# Allegro board 6089-119-RevB_08.brd (continued)
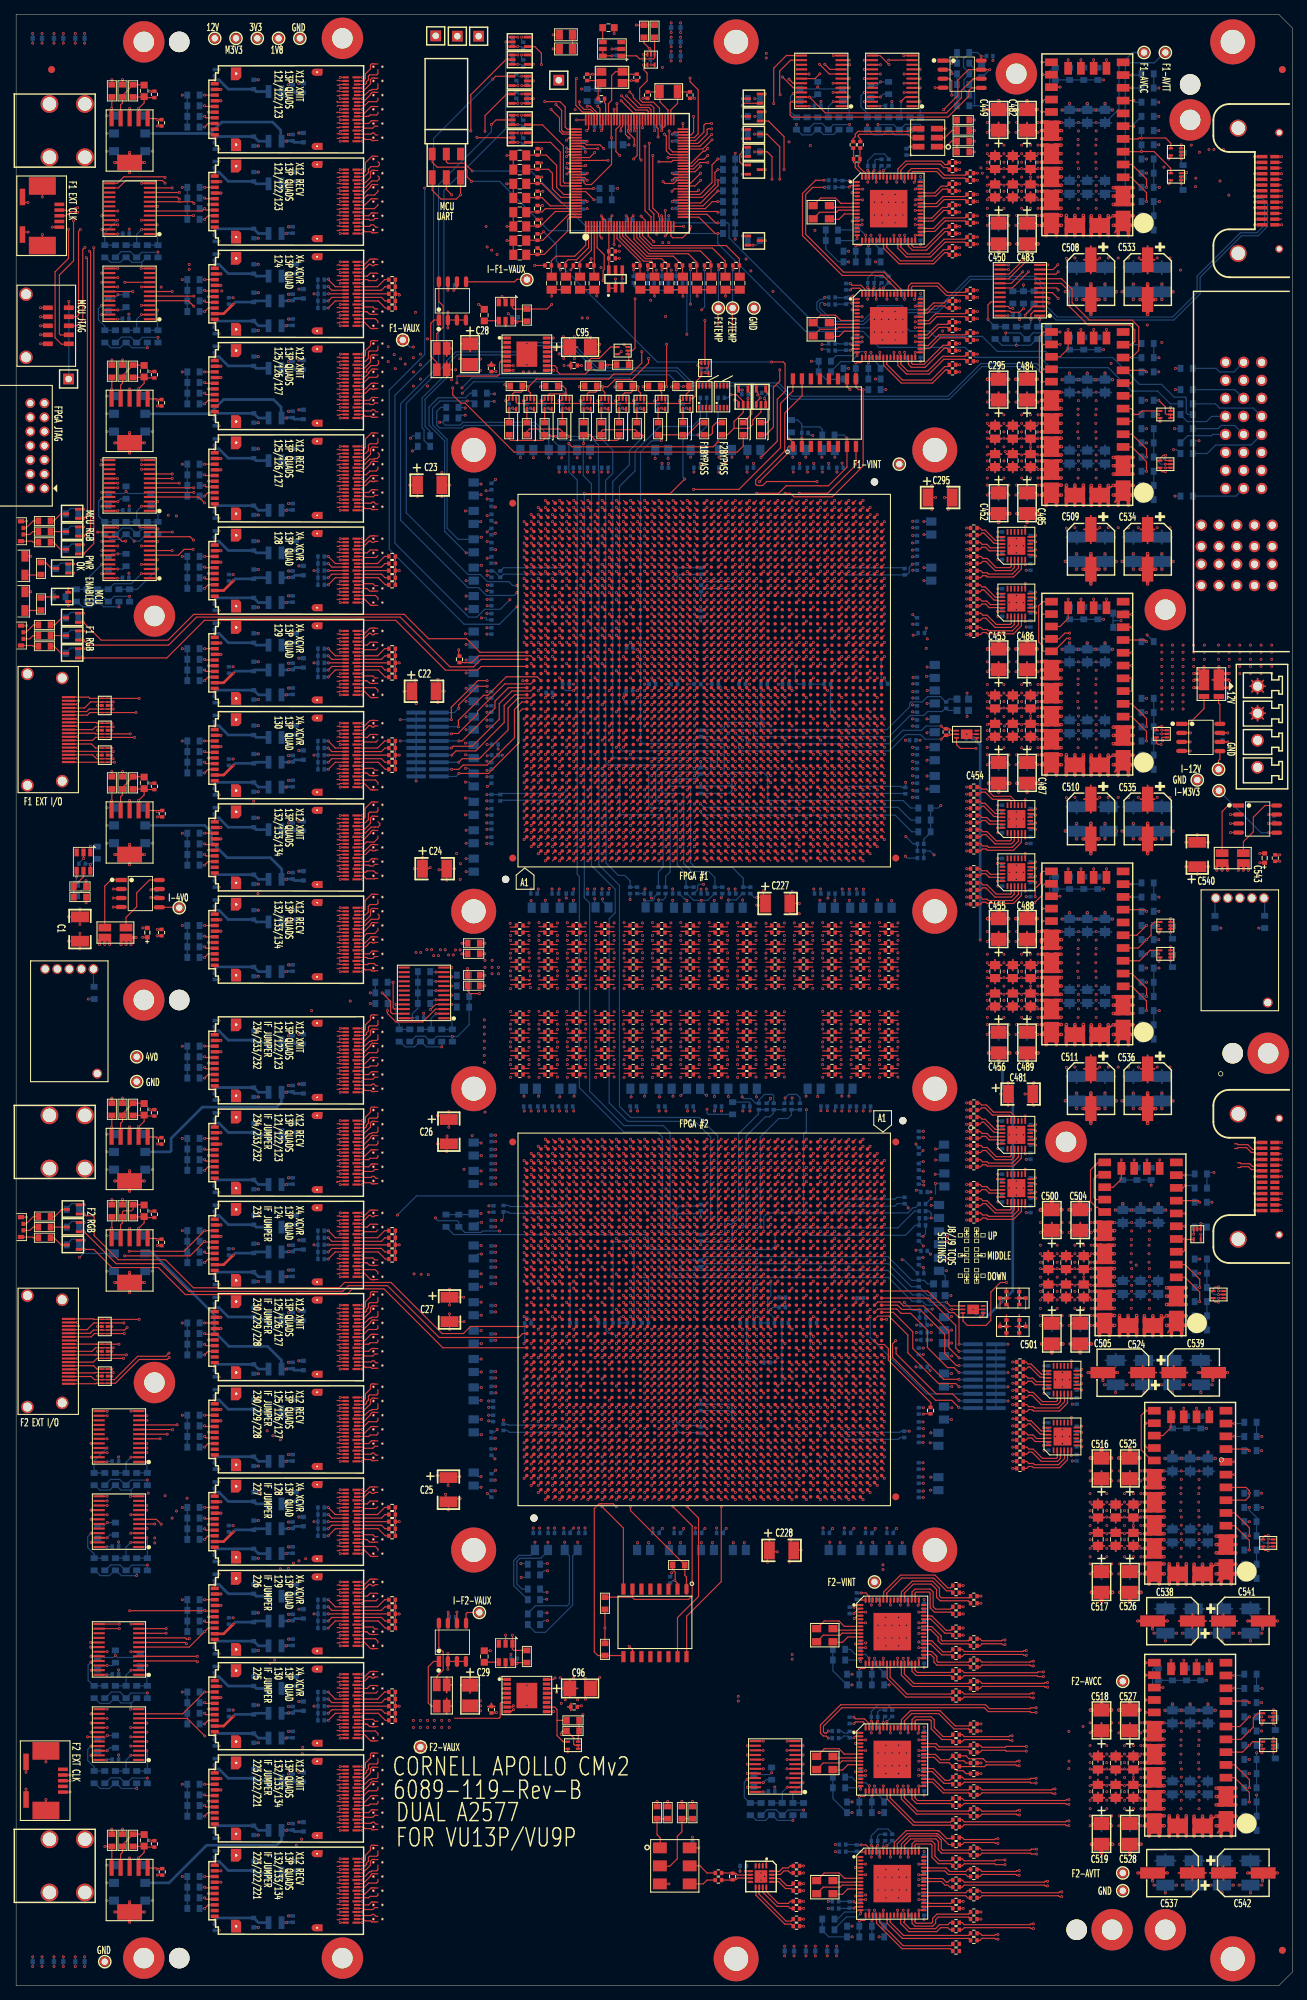
[diagram p0: board, top side]
## Routing (per net, layer and track width the routed paths; a pad name or vN(x,y) marks a point on that pad's centre or on a via; arc(x,y) is an arc through that point) (continued)
  GND6 w0.254: VA39.3 51.96,170.58 ; VA39.3 52.02,170.9 ; VA39.3 51.82,171.31 ; VA39.3 51.63,170.52 ; VA39.3 51.63,171.28 ; VA39.3 51.96,171.22 ; VA39.3 52.05,170.71 ; VA39.3 52.05,171.09 ; 50.04,119.08 VA61.3 ; VA61.3 49.95,119.59 ; VA61.3 49.95,119.21 ; VA61.3 50.18,118.99 ; VA61.3 49.98,119.4 ; VA61.3 50.37,119.02 ; VA61.3 50.37,119.78 ; VA61.3 50.04,119.72 ; VA76.4 51.63,82.78 ; VA76.4 51.96,82.08 ; VA76.4 51.82,82.81 ; VA76.4 51.63,82.02 ; VA76.4 52.05,82.59 ; VA76.4 52.05,82.21 ; VA76.4 51.96,82.72 ; VA76.4 52.02,82.4 ; VA77.4 52.05,80.21 ; VA77.4 51.96,80.72 ; VA77.4 51.96,80.08 ; VA77.4 52.02,80.4 ; VA77.4 51.82,80.81 ; VA77.4 51.63,80.78 ; VA77.4 51.63,80.02 ; VA77.4 52.05,80.59 ; VA75.4 51.96,84.72 ; VA75.4 52.02,84.4 ; VA75.4 51.82,84.81 ; VA75.4 52.05,84.59 ; VA75.4 51.63,84.02 ; VA75.4 51.63,84.78 ; VA75.4 51.96,84.08 ; VA75.4 52.05,84.21 ; 50.18,194.49 VA32.4 ; VA32.4 49.95,195.09 ; VA32.4 49.95,194.71 ; VA32.4 50.04,194.58 ; VA32.4 50.04,195.22 ; VA32.4 50.37,194.52 ; VA32.4 49.98,194.9 ; VA32.4 50.37,195.28 ; VA81.4 52.05,70.09 ; VA81.4 51.63,70.28 ; VA81.4 51.96,69.58 ; VA81.4 51.82,70.31 ; VA81.4 51.96,70.22 ; VA81.4 51.63,69.52 ; VA81.4 52.02,69.9 ; VA81.4 52.05,69.71 ; 49.95,95.59 VA70.3 ; VA70.3 50.04,95.72 ; VA70.3 50.37,95.02 ; VA70.3 50.04,95.08 ; VA70.3 49.98,95.4 ; VA70.3 50.18,94.99 ; VA70.3 50.37,95.78 ; VA70.3 49.95,95.21 ; 49.95,249.59 VA11.3 ; VA11.3 50.37,249.78 ; VA11.3 50.04,249.72 ; VA11.3 49.95,249.21 ; VA11.3 49.98,249.4 ; VA11.3 50.04,249.08 ; VA11.3 50.37,249.02 ; VA11.3 50.18,248.99 ; VA88.3 51.96,47.58 ; VA88.3 51.82,48.31 ; VA88.3 52.02,47.9 ; VA88.3 52.05,48.09 ; VA88.3 51.63,48.28 ; VA88.3 51.63,47.52 ; VA88.3 52.05,47.71 ; VA88.3 51.96,48.22 ; 49.95,229.59 VA18.3 ; VA18.3 50.37,229.78 ; VA18.3 50.18,228.99 ; VA18.3 49.98,229.4 ; VA18.3 50.04,229.72 ; VA18.3 50.04,229.08 ; VA18.3 49.95,229.21 ; VA18.3 50.37,229.02 ; VA71.4 51.96,93.72 ; VA71.4 51.63,93.02 ; VA71.4 51.63,93.78 ; VA71.4 52.05,93.59 ; VA71.4 52.02,93.4 ; VA71.4 51.96,93.08 ; VA71.4 51.82,93.81 ; VA71.4 52.05,93.21 ; 49.95,123.21 VA59.3 ; VA59.3 50.37,123.02 ; VA59.3 50.18,122.99 ; VA59.3 50.04,123.08 ; VA59.3 49.95,123.59 ; VA59.3 49.98,123.4 ; VA59.3 50.04,123.72 ; VA59.3 50.37,123.78 ; 50.18,146.99 VA50.3 ; VA50.3 49.95,147.21 ; VA50.3 50.37,147.02 ; VA50.3 50.37,147.78 ; VA50.3 50.04,147.08 ; VA50.3 50.04,147.72 ; VA50.3 49.95,147.59 ; VA50.3 49.98,147.4 ; VA102.4 51.96,13.72 ; VA102.4 52.02,13.4 ; VA102.4 51.63,13.02 ; VA102.4 51.63,13.78 ; VA102.4 51.96,13.08 ; VA102.4 51.82,13.81 ; VA102.4 52.05,13.59 ; VA102.4 52.05,13.21 ; PM3.1 17.67,128.07 ; PM3.1 17,128.28 ; PM3.1 17.88,127.4 ; PM3.1 16.33,126.73 ; PM3.1 16.12,127.4 ; PM3.1 17.67,126.73 ; PM3.1 16.33,128.07 ; PM3.1 17,126.52 ; 51.63,136.02 VA53.4 ; VA53.4 51.96,136.08 ; VA53.4 52.02,136.4 ; VA53.4 52.05,136.59 ; VA53.4 51.82,136.81 ; VA53.4 52.05,136.21 ; VA53.4 51.63,136.78 ; VA53.4 51.96,136.72 ; 50.04,156.72 VA46.3 ; VA46.3 49.95,156.59 ; VA46.3 49.98,156.4 ; VA46.3 49.95,156.21 ; VA46.3 50.37,156.78 ; VA46.3 50.37,156.02 ; VA46.3 50.04,156.08 ; VA46.3 50.18,155.99 ; 49.98,117.4 VA62.3 ; VA62.3 50.04,117.08 ; VA62.3 50.18,116.99 ; VA62.3 49.95,117.21 ; VA62.3 50.37,117.02 ; VA62.3 50.04,117.72 ; VA62.3 50.37,117.78 ; VA62.3 49.95,117.59 ; 49.98,160.4 VA44.3 ; VA44.3 50.18,159.99 ; VA44.3 49.95,160.21 ; VA44.3 50.04,160.08 ; VA44.3 50.37,160.78 ; VA44.3 49.95,160.59 ; VA44.3 50.37,160.02 ; VA44.3 50.04,160.72 ; 49.95,264.59 VA4.3 ; VA4.3 50.04,264.72 ; VA4.3 49.95,264.21 ; VA4.3 50.37,264.78 ; VA4.3 50.37,264.02 ; VA4.3 50.04,264.08 ; VA4.3 49.98,264.4 ; VA4.3 50.18,263.99 ; 50.04,17.72 VA100.3 ; VA100.3 50.18,16.99 ; VA100.3 49.95,17.59 ; VA100.3 49.95,17.21 ; VA100.3 50.04,17.08 ; VA100.3 50.37,17.02 ; VA100.3 50.37,17.78 ; VA100.3 49.98,17.4 ; 7.12,142.4 U1.3 ; U1.3 7.88,144.14 ; U1.3 8.17,143.94 ; U1.3 6.83,142.6 ; U1.3 8.17,142.6 ; U1.3 7.5,144.14 ; U1.3 6.83,143.94 ; U1.3 7.5,142.39 ; 50.18,86.99 VA74.3 ; VA74.3 50.04,87.08 ; VA74.3 49.98,87.4 ; VA74.3 49.95,87.59 ; VA74.3 49.95,87.21 ; VA74.3 50.37,87.02 ; VA74.3 50.37,87.78 ; VA74.3 50.04,87.72 ; 50.37,210.02 VA27.3 ; VA27.3 50.04,210.08 ; VA27.3 49.98,210.4 ; VA27.3 49.95,210.21 ; VA27.3 50.37,210.78 ; VA27.3 50.18,209.99 ; VA27.3 49.95,210.59 ; VA27.3 50.04,210.72 ; VA19.4 52.05,227.21 ; VA19.4 52.05,227.59 ; VA19.4 51.63,227.78 ; VA19.4 51.96,227.72 ; VA19.4 51.63,227.02 ; VA19.4 52.02,227.4 ; VA19.4 51.82,227.81 ; VA19.4 51.96,227.08 ; PM21.1 156.67,14.07 ; PM21.1 156,12.52 ; PM21.1 155.33,12.73 ; PM21.1 156,14.28 ; PM21.1 156.88,13.4 ; PM21.1 155.12,13.4 ; PM21.1 156.67,12.73 ; PM21.1 155.33,14.07 ; 50.37,121.02 VA60.3 ; VA60.3 50.04,121.72 ; VA60.3 49.95,121.21 ; VA60.3 50.04,121.08 ; VA60.3 50.37,121.78 ; VA60.3 50.18,120.99 ; VA60.3 49.95,121.59 ; VA60.3 49.98,121.4 ; VA37.3 50.37,178.28 ; VA37.3 49.98,177.9 ; VA37.3 49.95,178.09 ; VA37.3 50.04,177.58 ; VA37.3 50.18,177.49 ; VA37.3 50.04,178.22 ; VA37.3 50.37,177.52 ; VA37.3 49.95,177.71 ; 50.04,149.08 VA49.3 ; VA49.3 50.37,149.02 ; VA49.3 50.18,148.99 ; VA49.3 50.04,149.72 ; VA49.3 49.95,149.59 ; VA49.3 49.98,149.4 ; VA49.3 49.95,149.21 ; VA49.3 50.37,149.78 ; 50.18,83.99 VA75.3 ; VA75.3 50.37,84.78 ; VA75.3 49.95,84.59 ; VA75.3 49.95,84.21 ; VA75.3 50.04,84.72 ; VA75.3 50.37,84.02 ; VA75.3 49.98,84.4 ; VA75.3 50.04,84.08 ; 49.95,268.21 VA2.3 ; VA2.3 50.37,268.02 ; VA2.3 50.37,268.78 ; VA2.3 50.18,267.99 ; VA2.3 50.04,268.08 ; VA2.3 49.98,268.4 ; VA2.3 50.04,268.72 ; VA2.3 49.95,268.59 ; 50.04,32.08 VA93.3 ; VA93.3 50.04,32.72 ; VA93.3 50.18,31.99 ; VA93.3 49.95,32.59 ; VA93.3 49.95,32.21 ; VA93.3 50.37,32.78 ; VA93.3 50.37,32.02 ; VA93.3 49.98,32.4 ; VA78.4 51.63,78.78 ; VA78.4 51.63,78.02 ; VA78.4 51.96,78.72 ; VA78.4 52.05,78.59 ; VA78.4 52.02,78.4 ; VA78.4 51.82,78.81 ; VA78.4 52.05,78.21 ; VA78.4 51.96,78.08 ; VA10.4 52.05,251.21 ; VA10.4 51.82,251.81 ; VA10.4 51.96,251.72 ; VA10.4 51.63,251.02 ; VA10.4 52.05,251.59 ; VA10.4 52.02,251.4 ; VA10.4 51.63,251.78 ; VA10.4 51.96,251.08 ; VA61.4 51.63,119.78 ; VA61.4 51.96,119.72 ; VA61.4 52.05,119.59 ; VA61.4 52.02,119.4 ; VA61.4 51.63,119.02 ; VA61.4 51.82,119.81 ; VA61.4 52.05,119.21 ; VA61.4 51.96,119.08 ; PM16.1 104.67,237.07 ; PM16.1 104.88,236.4 ; PM16.1 104,237.28 ; PM16.1 104.67,235.73 ; PM16.1 104,235.52 ; PM16.1 103.33,235.73 ; PM16.1 103.12,236.4 ; PM16.1 103.33,237.07 ; VA90.4 52.05,41.71 ; VA90.4 51.82,42.31 ; VA90.4 52.05,42.09 ; VA90.4 52.02,41.9 ; VA90.4 51.63,42.28 ; VA90.4 51.96,41.58 ; VA90.4 51.96,42.22 ; VA90.4 51.63,41.52 ; VA80.4 52.02,74.4 ; VA80.4 52.05,74.59 ; VA80.4 51.96,74.08 ; VA80.4 51.63,74.78 ; VA80.4 52.05,74.21 ; VA80.4 51.82,74.81 ; VA80.4 51.96,74.72 ; VA80.4 51.63,74.02 ; 3.33,220.33 J1.11 ; J1.11 4,221.88 ; J1.11 4.67,220.33 ; J1.11 4.67,221.67 ; J1.11 4,220.12 ; J1.11 3.33,221.67 ; J1.11 4.88,221 ; J1.11 3.62,220.13 ; VA59.4 52.05,123.59 ; VA59.4 51.96,123.72 ; VA59.4 51.96,123.08 ; VA59.4 52.02,123.4 ; VA59.4 51.63,123.78 ; VA59.4 51.82,123.81 ; VA59.4 52.05,123.21 ; VA59.4 51.63,123.02 ; VA48.4 52.05,151.59 ; VA48.4 51.82,151.81 ; VA48.4 52.05,151.21 ; VA48.4 51.96,151.08 ; VA48.4 51.96,151.72 ; VA48.4 51.63,151.02 ; VA48.4 52.02,151.4 ; VA48.4 51.63,151.78 ; 49.98,91.4 VA72.3 ; VA72.3 50.37,91.02 ; VA72.3 50.37,91.78 ; VA72.3 49.95,91.59 ; VA72.3 49.95,91.21 ; VA72.3 50.04,91.72 ; VA72.3 50.18,90.99 ; VA72.3 50.04,91.08 ; VA60.4 52.05,121.21 ; VA60.4 51.96,121.08 ; VA60.4 52.02,121.4 ; VA60.4 52.05,121.59 ; VA60.4 51.63,121.02 ; VA60.4 51.82,121.81 ; VA60.4 51.63,121.78 ; VA60.4 51.96,121.72 ; J1.1 4.67,210.33 ; J1.1 4,210.12 ; J1.1 3.33,211.67 ; J1.1 4,211.88 ; J1.1 4.88,211 ; J1.1 4.67,211.67 ; J1.1 3.62,210.13 ; J1.1 3.33,210.33 ; VA85.4 51.63,57.28 ; VA85.4 52.02,56.9 ; VA85.4 51.63,56.52 ; VA85.4 52.05,56.71 ; VA85.4 52.05,57.09 ; VA85.4 51.96,57.22 ; VA85.4 51.96,56.58 ; VA85.4 51.82,57.31 ; 50.04,166.08 VA41.3 ; VA41.3 50.37,166.78 ; VA41.3 49.95,166.59 ; VA41.3 50.04,166.72 ; VA41.3 50.37,166.02 ; VA41.3 50.18,165.99 ; VA41.3 49.95,166.21 ; VA41.3 49.98,166.4 ; 50.37,145.02 VA51.3 ; VA51.3 50.04,145.72 ; VA51.3 50.37,145.78 ; VA51.3 50.18,144.99 ; VA51.3 49.98,145.4 ; VA51.3 49.95,145.59 ; VA51.3 50.04,145.08 ; VA51.3 49.95,145.21 ; VA43.4 51.82,162.81 ; VA43.4 51.96,162.08 ; VA43.4 51.63,162.02 ; VA43.4 52.02,162.4 ; VA43.4 52.05,162.21 ; VA43.4 52.05,162.59 ; VA43.4 51.63,162.78 ; VA43.4 51.96,162.72 ; 49.95,93.59 VA71.3 ; VA71.3 50.18,92.99 ; VA71.3 49.95,93.21 ; VA71.3 50.37,93.02 ; VA71.3 49.98,93.4 ; VA71.3 50.04,93.08 ; VA71.3 50.04,93.72 ; VA71.3 50.37,93.78 ; PM9.1 40.88,274.4 ; PM9.1 40,275.28 ; PM9.1 39.33,275.07 ; PM9.1 40.67,275.07 ; PM9.1 39.33,273.73 ; PM9.1 40,273.52 ; PM9.1 39.12,274.4 ; PM9.1 40.67,273.73 ; 11.83,2.73 PM1.1 ; PM1.1 13.17,4.07 ; PM1.1 11.83,4.07 ; PM1.1 12.5,4.28 ; PM1.1 13.17,2.73 ; PM1.1 12.5,2.52 ; PM1.1 13.38,3.4 ; PM1.1 11.62,3.4 ; 168.83,205.06 P1.P2-8 ; P1.P2-8 170.31,205.06 ; P1.P2-8 170.31,206.54 ; P1.P2-8 168.59,205.8 ; P1.P2-8 168.83,206.54 ; P1.P2-8 169.57,204.82 ; P1.P2-8 169.57,206.78 ; P1.P2-8 170.55,205.8 ; 49.95,164.59 VA42.3 ; VA42.3 50.18,163.99 ; VA42.3 50.04,164.08 ; VA42.3 50.37,164.02 ; VA42.3 49.95,164.21 ; VA42.3 50.04,164.72 ; VA42.3 49.98,164.4 ; VA42.3 50.37,164.78 ; VA83.3 52.05,63.09 ; VA83.3 52.02,62.9 ; VA83.3 51.63,62.52 ; VA83.3 51.96,62.58 ; VA83.3 51.63,63.28 ; VA83.3 51.82,63.31 ; VA83.3 52.05,62.71 ; VA83.3 51.96,63.22 ; VA103.4 52.05,11.59 ; VA103.4 51.96,11.08 ; VA103.4 52.02,11.4 ; VA103.4 51.63,11.02 ; VA103.4 52.05,11.21 ; VA103.4 51.63,11.78 ; VA103.4 51.82,11.81 ; VA103.4 51.96,11.72 ; J6.23 2.4,98.05 ; J6.23 2.66,97.25 ; J6.23 2.4,96.44 ; J6.23 1.15,96.2 ; J6.23 2.64,97.7 ; J6.23 2.05,98.29 ; J6.23 1.6,98.32 ; J6.23 1.6,96.18 ; VA72.4 52.05,91.21 ; VA72.4 52.05,91.59 ; VA72.4 51.63,91.78 ; VA72.4 51.63,91.02 ; VA72.4 52.02,91.4 ; VA72.4 51.96,91.72 ; VA72.4 51.82,91.81 ; VA72.4 51.96,91.08 ; VA50.4 52.05,147.21 ; VA50.4 51.63,147.02 ; VA50.4 51.96,147.08 ; VA50.4 51.96,147.72 ; VA50.4 51.63,147.78 ; VA50.4 52.02,147.4 ; VA50.4 52.05,147.59 ; VA50.4 51.82,147.81 ; VA73.4 51.63,89.78 ; VA73.4 52.05,89.21 ; VA73.4 51.63,89.02 ; VA73.4 51.96,89.72 ; VA73.4 52.05,89.59 ; VA73.4 51.96,89.08 ; VA73.4 52.02,89.4 ; VA73.4 51.82,89.81 ; VA93.4 52.05,32.21 ; VA93.4 52.05,32.59 ; VA93.4 51.96,32.08 ; VA93.4 51.63,32.78 ; VA93.4 52.02,32.4 ; VA93.4 51.63,32.02 ; VA93.4 51.82,32.81 ; VA93.4 51.96,32.72 ; VA37.4 51.63,178.28 ; VA37.4 51.82,178.31 ; VA37.4 51.96,177.58 ; VA37.4 52.05,178.09 ; VA37.4 52.05,177.71 ; VA37.4 52.02,177.9 ; VA37.4 51.63,177.52 ; VA37.4 51.96,178.22 ; VA31.3 51.82,197.31 ; VA31.3 52.05,196.71 ; VA31.3 51.63,197.28 ; VA31.3 51.63,196.52 ; VA31.3 51.96,197.22 ; VA31.3 52.05,197.09 ; VA31.3 52.02,196.9 ; VA31.3 51.96,196.58 ; 50.18,25.99 VA96.3 ; VA96.3 49.95,26.21 ; VA96.3 50.04,26.72 ; VA96.3 49.98,26.4 ; VA96.3 50.04,26.08 ; VA96.3 50.37,26.02 ; VA96.3 50.37,26.78 ; VA96.3 49.95,26.59 ; 1.15,168.11 J5.20 ; J5.20 2.4,168.35 ; J5.20 2.66,169.15 ; J5.20 2.05,170.2 ; J5.20 2.64,169.6 ; J5.20 1.6,170.22 ; J5.20 2.4,169.96 ; J5.20 1.6,168.08 ; VA40.3 51.96,169.22 ; VA40.3 51.63,168.52 ; VA40.3 51.63,169.28 ; VA40.3 52.05,168.71 ; VA40.3 51.96,168.58 ; VA40.3 51.82,169.31 ; VA40.3 52.02,168.9 ; VA40.3 52.05,169.09 ; VA25.4 51.82,214.81 ; VA25.4 51.96,214.08 ; VA25.4 52.05,214.59 ; VA25.4 52.02,214.4 ; VA25.4 52.05,214.21 ; VA25.4 51.96,214.72 ; VA25.4 51.63,214.78 ; VA25.4 51.63,214.02 ; 166.33,206.54 P1.P2-10 ; P1.P2-10 167.07,206.78 ; P1.P2-10 167.81,205.06 ; P1.P2-10 167.07,204.82 ; P1.P2-10 166.33,205.06 ; P1.P2-10 167.81,206.54 ; P1.P2-10 166.09,205.8 ; P1.P2-10 168.05,205.8 ; J5.23 1.6,185.92 ; J5.23 2.4,184.04 ; J5.23 1.6,183.78 ; J5.23 2.64,185.3 ; J5.23 1.15,183.8 ; J5.23 2.66,184.85 ; J5.23 2.4,185.65 ; J5.23 2.05,185.89 ; 49.95,231.59 VA17.3 ; VA17.3 50.37,231.02 ; VA17.3 49.98,231.4 ; VA17.3 50.18,230.99 ; VA17.3 50.04,231.72 ; VA17.3 50.37,231.78 ; VA17.3 49.95,231.21 ; VA17.3 50.04,231.08 ; VA22.3 50.37,221.78 ; VA22.3 50.04,221.08 ; VA22.3 50.18,220.99 ; VA22.3 49.95,221.59 ; VA22.3 50.04,221.72 ; VA22.3 49.95,221.21 ; VA22.3 50.37,221.02 ; VA22.3 49.98,221.4 ; VA52.4 51.96,143.08 ; VA52.4 51.82,143.81 ; VA52.4 52.05,143.59 ; VA52.4 52.05,143.21 ; VA52.4 51.63,143.02 ; VA52.4 52.02,143.4 ; VA52.4 51.63,143.78 ; VA52.4 51.96,143.72 ; VA44.4 52.05,160.21 ; VA44.4 52.02,160.4 ; VA44.4 52.05,160.59 ; VA44.4 51.96,160.08 ; VA44.4 51.82,160.81 ; VA44.4 51.63,160.78 ; VA44.4 51.63,160.02 ; VA44.4 51.96,160.72 ; 49.98,257.4 VA7.3 ; VA7.3 50.18,256.99 ; VA7.3 50.04,257.08 ; VA7.3 50.04,257.72 ; VA7.3 49.95,257.21 ; VA7.3 50.37,257.78 ; VA7.3 50.37,257.02 ; VA7.3 49.95,257.59 ; 49.95,115.21 VA63.3 ; VA63.3 50.37,115.78 ; VA63.3 50.37,115.02 ; VA63.3 49.95,115.59 ; VA63.3 50.04,115.72 ; VA63.3 50.04,115.08 ; VA63.3 50.18,114.99 ; VA63.3 49.98,115.4 ; 50.04,162.72 VA43.3 ; VA43.3 49.95,162.21 ; VA43.3 50.37,162.02 ; VA43.3 49.98,162.4 ; VA43.3 50.18,161.99 ; VA43.3 49.95,162.59 ; VA43.3 50.37,162.78 ; VA43.3 50.04,162.08 ; 49.98,227.4 VA19.3 ; VA19.3 49.95,227.59 ; VA19.3 50.04,227.72 ; VA19.3 50.04,227.08 ; VA19.3 50.37,227.78 ; VA19.3 49.95,227.21 ; VA19.3 50.18,226.99 ; VA19.3 50.37,227.02 ; VA82.4 51.63,68.28 ; VA82.4 51.96,68.22 ; VA82.4 51.82,68.31 ; VA82.4 52.02,67.9 ; VA82.4 52.05,67.71 ; VA82.4 52.05,68.09 ; VA82.4 51.63,67.52 ; VA82.4 51.96,67.58 ; P1.P2-7 170.31,203.54 ; P1.P2-7 169.57,201.82 ; P1.P2-7 168.83,203.54 ; P1.P2-7 170.55,202.8 ; P1.P2-7 170.31,202.06 ; P1.P2-7 168.83,202.06 ; P1.P2-7 169.57,203.78 ; P1.P2-7 168.59,202.8 ; 50.37,101.52 VA67.4 ; VA67.4 49.98,101.9 ; VA67.4 49.95,102.09 ; VA67.4 50.04,101.58 ; VA67.4 50.18,101.49 ; VA67.4 49.95,101.71 ; VA67.4 50.37,102.28 ; VA67.4 50.04,102.22 ; 50.04,41.58 VA90.3 ; VA90.3 49.95,42.09 ; VA90.3 50.04,42.22 ; VA90.3 50.18,41.49 ; VA90.3 49.95,41.71 ; VA90.3 50.37,41.52 ; VA90.3 50.37,42.28 ; VA90.3 49.98,41.9 ; J6.22 7.57,96.66 ; J6.22 5.69,97.47 ; J6.22 6.5,95.6 ; J6.22 7.31,95.86 ; J6.22 5.43,96.66 ; J6.22 6.5,97.73 ; J6.22 5.69,95.86 ; J6.22 7.31,97.47 ; VA14.4 51.96,241.22 ; VA14.4 52.05,240.71 ; VA14.4 51.82,241.31 ; VA14.4 51.63,240.52 ; VA14.4 51.63,241.28 ; VA14.4 52.05,241.09 ; VA14.4 52.02,240.9 ; VA14.4 51.96,240.58 ; VA55.4 51.96,132.08 ; VA55.4 51.63,132.78 ; VA55.4 52.02,132.4 ; VA55.4 51.63,132.02 ; VA55.4 52.05,132.59 ; VA55.4 51.96,132.72 ; VA55.4 52.05,132.21 ; VA55.4 51.82,132.81 ; 51.63,249.02 VA11.4 ; VA11.4 51.96,249.72 ; VA11.4 51.96,249.08 ; VA11.4 51.82,249.81 ; VA11.4 52.05,249.59 ; VA11.4 52.02,249.4 ; VA11.4 52.05,249.21 ; VA11.4 51.63,249.78 ; VA27.4 52.02,210.4 ; VA27.4 52.05,210.21 ; VA27.4 51.96,210.72 ; VA27.4 51.82,210.81 ; VA27.4 52.05,210.59 ; VA27.4 51.96,210.08 ; VA27.4 51.63,210.78 ; VA27.4 51.63,210.02 ; 50.18,196.49 VA31.4 ; VA31.4 50.04,196.58 ; VA31.4 50.37,197.28 ; VA31.4 50.37,196.52 ; VA31.4 49.95,196.71 ; VA31.4 50.04,197.22 ; VA31.4 49.98,196.9 ; VA31.4 49.95,197.09 ; 50.04,175.58 VA38.3 ; VA38.3 49.98,175.9 ; VA38.3 50.04,176.22 ; VA38.3 50.18,175.49 ; VA38.3 50.37,175.52 ; VA38.3 49.95,175.71 ; VA38.3 50.37,176.28 ; VA38.3 49.95,176.09 ; 50.18,142.99 VA52.3 ; VA52.3 50.37,143.78 ; VA52.3 50.04,143.72 ; VA52.3 50.04,143.08 ; VA52.3 50.37,143.02 ; VA52.3 49.95,143.21 ; VA52.3 49.95,143.59 ; VA52.3 49.98,143.4 ; 49.98,233.9 VA16.4 ; VA16.4 49.95,234.09 ; VA16.4 50.04,233.58 ; VA16.4 50.37,233.52 ; VA16.4 50.18,233.49 ; VA16.4 49.95,233.71 ; VA16.4 50.04,234.22 ; VA16.4 50.37,234.28 ; 49.95,74.59 VA80.3 ; VA80.3 50.04,74.08 ; VA80.3 49.98,74.4 ; VA80.3 50.37,74.02 ; VA80.3 50.18,73.99 ; VA80.3 50.37,74.78 ; VA80.3 49.95,74.21 ; VA80.3 50.04,74.72 ; 50.04,136.08 VA53.3 ; VA53.3 49.95,136.59 ; VA53.3 49.98,136.4 ; VA53.3 50.04,136.72 ; VA53.3 50.37,136.02 ; VA53.3 50.18,135.99 ; VA53.3 50.37,136.78 ; VA53.3 49.95,136.21 ; VA92.4 50.37,35.28 ; VA92.4 49.95,34.71 ; VA92.4 50.04,34.58 ; VA92.4 49.98,34.9 ; VA92.4 50.37,34.52 ; VA92.4 49.95,35.09 ; VA92.4 50.04,35.22 ; VA92.4 50.18,34.49 ; 49.95,9.21 VA104.3 ; VA104.3 50.18,8.99 ; VA104.3 50.04,9.08 ; VA104.3 49.95,9.59 ; VA104.3 50.04,9.72 ; VA104.3 49.98,9.4 ; VA104.3 50.37,9.78 ; VA104.3 50.37,9.02 ; VA65.4 52.02,108.9 ; VA65.4 52.05,108.71 ; VA65.4 51.82,109.31 ; VA65.4 51.96,108.58 ; VA65.4 51.96,109.22 ; VA65.4 51.63,108.52 ; VA65.4 52.05,109.09 ; VA65.4 51.63,109.28 ; 50.18,47.49 VA88.4 ; VA88.4 50.04,47.58 ; VA88.4 49.95,47.71 ; VA88.4 50.37,48.28 ; VA88.4 49.98,47.9 ; VA88.4 50.04,48.22 ; VA88.4 50.37,47.52 ; VA88.4 49.95,48.09 ; 174.19,176.3 J10.3 ; J10.3 175,174.43 ; J10.3 175.81,176.3 ; J10.3 175.81,174.69 ; J10.3 175,176.56 ; J10.3 174.19,174.69 ; J10.3 173.93,175.5 ; J10.3 176.07,175.5 ; 49.95,100.09 VA68.4 ; VA68.4 50.37,100.28 ; VA68.4 50.04,99.58 ; VA68.4 50.04,100.22 ; VA68.4 49.98,99.9 ; VA68.4 49.95,99.71 ; VA68.4 50.18,99.49 ; VA68.4 50.37,99.52 ; VA8.4 51.82,255.81 ; VA8.4 51.63,255.02 ; VA8.4 52.05,255.59 ; VA8.4 51.63,255.78 ; VA8.4 52.05,255.21 ; VA8.4 51.96,255.08 ; VA8.4 51.96,255.72 ; VA8.4 52.02,255.4 ; 49.98,67.9 VA82.3 ; VA82.3 50.37,67.52 ; VA82.3 49.95,68.09 ; VA82.3 50.04,68.22 ; VA82.3 50.18,67.49 ; VA82.3 50.04,67.58 ; VA82.3 50.37,68.28 ; VA82.3 49.95,67.71 ; 50.04,80.72 VA77.3 ; VA77.3 50.37,80.02 ; VA77.3 50.37,80.78 ; VA77.3 50.18,79.99 ; VA77.3 50.04,80.08 ; VA77.3 49.95,80.21 ; VA77.3 49.98,80.4 ; VA77.3 49.95,80.59 ; 51.63,30.02 VA94.4 ; VA94.4 51.63,30.78 ; VA94.4 51.96,30.72 ; VA94.4 51.82,30.81 ; VA94.4 52.05,30.21 ; VA94.4 51.96,30.08 ; VA94.4 52.05,30.59 ; VA94.4 52.02,30.4 ; VA6.4 52.05,260.59 ; VA6.4 51.96,260.72 ; VA6.4 52.05,260.21 ; VA6.4 52.02,260.4 ; VA6.4 51.82,260.81 ; VA6.4 51.96,260.08 ; VA6.4 51.63,260.78 ; VA6.4 51.63,260.02 ; P1.P2-5 172.81,202.06 ; P1.P2-5 172.81,203.54 ; P1.P2-5 171.33,202.06 ; P1.P2-5 171.09,202.8 ; P1.P2-5 173.05,202.8 ; P1.P2-5 171.33,203.54 ; P1.P2-5 172.07,203.78 ; P1.P2-5 172.07,201.82 ; VA54.4 51.96,134.08 ; VA54.4 52.05,134.21 ; VA54.4 51.63,134.78 ; VA54.4 51.82,134.81 ; VA54.4 51.96,134.72 ; VA54.4 52.05,134.59 ; VA54.4 52.02,134.4 ; VA54.4 51.63,134.02 ; P1.P2-3 174.57,203.78 ; P1.P2-3 175.55,202.8 ; P1.P2-3 174.57,201.82 ; P1.P2-3 175.31,202.06 ; P1.P2-3 173.59,202.8 ; P1.P2-3 173.83,202.06 ; P1.P2-3 175.31,203.54 ; P1.P2-3 173.83,203.54 ; VA32.3 51.96,194.58 ; VA32.3 52.05,194.71 ; VA32.3 51.82,195.31 ; VA32.3 51.63,195.28 ; VA32.3 52.05,195.09 ; VA32.3 51.96,195.22 ; VA32.3 51.63,194.52 ; VA32.3 52.02,194.9 ; 49.98,62.9 VA83.4 ; VA83.4 50.37,62.52 ; VA83.4 50.18,62.49 ; VA83.4 50.04,62.58 ; VA83.4 49.95,62.71 ; VA83.4 50.37,63.28 ; VA83.4 50.04,63.22 ; VA83.4 49.95,63.09 ; VA33.4 52.02,190.9 ; VA33.4 52.05,190.71 ; VA33.4 51.63,191.28 ; VA33.4 52.05,191.09 ; VA33.4 51.82,191.31 ; VA33.4 51.63,190.52 ; VA33.4 51.96,190.58 ; VA33.4 51.96,191.22 ; VA69.4 52.02,97.4 ; VA69.4 52.05,97.59 ; VA69.4 51.63,97.78 ; VA69.4 51.96,97.08 ; VA69.4 51.82,97.81 ; VA69.4 52.05,97.21 ; VA69.4 51.63,97.02 ; VA69.4 51.96,97.72 ; 51.63,201.52 VA30.4 ; VA30.4 51.82,202.31 ; VA30.4 51.63,202.28 ; VA30.4 52.05,201.71 ; VA30.4 52.05,202.09 ; VA30.4 51.96,202.22 ; VA30.4 52.02,201.9 ; VA30.4 51.96,201.58 ; VA17.4 51.96,231.72 ; VA17.4 51.82,231.81 ; VA17.4 52.05,231.59 ; VA17.4 52.02,231.4 ; VA17.4 51.63,231.02 ; VA17.4 51.63,231.78 ; VA17.4 52.05,231.21 ; VA17.4 51.96,231.08 ; 49.95,151.21 VA48.3 ; VA48.3 50.04,151.72 ; VA48.3 49.95,151.59 ; VA48.3 50.18,150.99 ; VA48.3 50.04,151.08 ; VA48.3 49.98,151.4 ; VA48.3 50.37,151.02 ; VA48.3 50.37,151.78 ; 176.33,203.54 P1.P2-1 ; P1.P2-1 176.33,202.06 ; P1.P2-1 177.07,201.82 ; P1.P2-1 178.05,202.8 ; P1.P2-1 176.09,202.8 ; P1.P2-1 177.81,203.54 ; P1.P2-1 177.07,203.78 ; P1.P2-1 177.81,202.06 ; 49.95,202.09 VA30.3 ; VA30.3 50.37,202.28 ; VA30.3 49.95,201.71 ; VA30.3 50.18,201.49 ; VA30.3 50.04,201.58 ; VA30.3 49.98,201.9 ; VA30.3 50.04,202.22 ; VA30.3 50.37,201.52 ; 51.63,233.52 VA16.3 ; VA16.3 52.02,233.9 ; VA16.3 52.05,233.71 ; VA16.3 51.63,234.28 ; VA16.3 52.05,234.09 ; VA16.3 51.82,234.31 ; VA16.3 51.96,234.22 ; VA16.3 51.96,233.58 ; VA98.4 52.02,22.4 ; VA98.4 51.96,22.08 ; VA98.4 52.05,22.59 ; VA98.4 51.63,22.02 ; VA98.4 51.96,22.72 ; VA98.4 51.82,22.81 ; VA98.4 51.63,22.78 